# Altium PCB PCB5.PcbDoc (part 2 of 16)
Units mil, origin at the board's own origin, x right, y up, seen from the top; angles counter-clockwise.
Board outline 9210.27 x 4350.4 mil, 4 copper layers (Top Layer, Layer 1, Layer 2, Bottom Layer), stack 23.756 mil thick; 1550 components, 1731 nets, 5196 pads, 1890 vias.
Unrouted connection lines stored in the file: 2462.
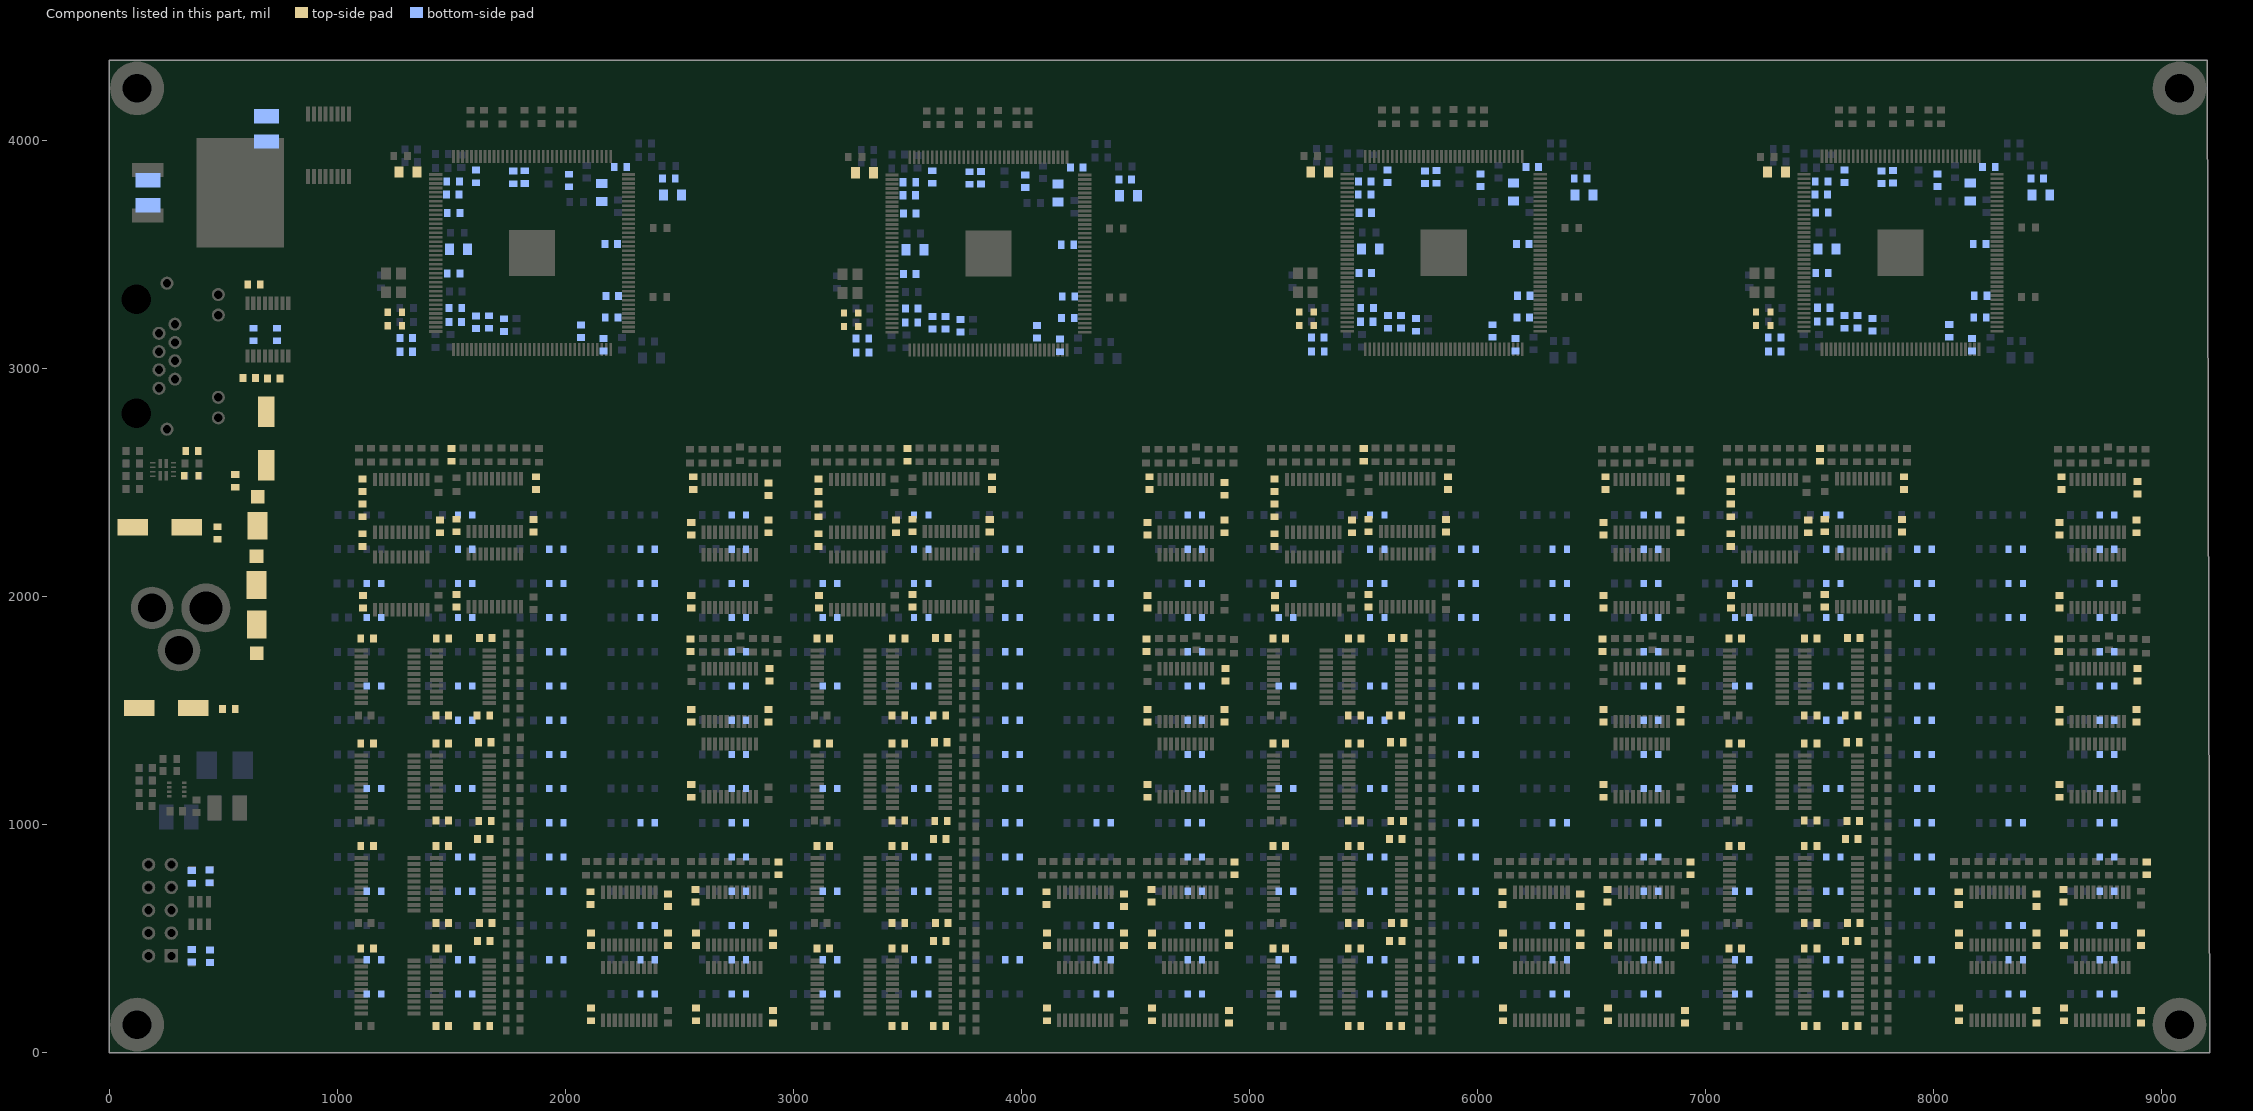
[diagram p4: the components of this part, seen from the top]

## Components (designator, comment, footprint, x,y, rotation, side; value= is the part's Value field where it differs from the comment) (continued)
C28_U_LED_BUFFER94 "0.1uF/16V" 0603C 8450.63,157.16 r90 top (schematic designator C28)
C28_U_LED_BUFFER101 "0.1uF/16V" 0603C 2910.63,157.16 r90 top (schematic designator C28)
C28_U_LED_BUFFER102 "0.1uF/16V" 0603C 4910.63,157.16 r90 top (schematic designator C28)
C28_U_LED_BUFFER103 "0.1uF/16V" 0603C 6910.63,157.16 r90 top (schematic designator C28)
C28_U_LED_BUFFER104 "0.1uF/16V" 0603C 8910.63,157.16 r90 top (schematic designator C28)
C29 "22uF/25V" 1210C 169.61,3770.31 r270 bottom
C30 "22uF/25V" 1210C 689.61,4050.31 r270 bottom
C31_U_LED_BUFFER11 "0.1uF/16V" 0603C 1110.63,2377.16 r90 top (schematic designator C31)
C31_U_LED_BUFFER12 "0.1uF/16V" 0603C 3110.63,2377.16 r90 top (schematic designator C31)
C31_U_LED_BUFFER13 "0.1uF/16V" 0603C 5110.63,2377.16 r90 top (schematic designator C31)
C31_U_LED_BUFFER14 "0.1uF/16V" 0603C 7110.63,2377.16 r90 top (schematic designator C31)
C31_U_LED_BUFFER21 "0.1uF/16V" 0603C 1870.63,2497.16 r270 top (schematic designator C31)
C31_U_LED_BUFFER22 "0.1uF/16V" 0603C 3870.63,2497.16 r270 top (schematic designator C31)
C31_U_LED_BUFFER23 "0.1uF/16V" 0603C 5870.63,2497.16 r270 top (schematic designator C31)
C31_U_LED_BUFFER24 "0.1uF/16V" 0603C 7870.63,2497.16 r270 top (schematic designator C31)
C31_U_LED_BUFFER31 "0.1uF/16V" 0603C 2890.63,2469.69 r270 top (schematic designator C31)
C31_U_LED_BUFFER32 "0.1uF/16V" 0603C 4890.63,2471.54 r270 top (schematic designator C31)
C31_U_LED_BUFFER33 "0.1uF/16V" 0603C 6891.2,2490.63 r270 top (schematic designator C31)
C31_U_LED_BUFFER34 "0.1uF/16V" 0603C 8893.67,2476.88 r270 top (schematic designator C31)
C31_U_LED_BUFFER41 "0.1uF/16V" 0603C 1640.63,1477.16 r180 top (schematic designator C31)
C31_U_LED_BUFFER42 "0.1uF/16V" 0603C 3640.63,1477.16 r180 top (schematic designator C31)
C31_U_LED_BUFFER43 "0.1uF/16V" 0603C 5640.63,1477.16 r180 top (schematic designator C31)
C31_U_LED_BUFFER44 "0.1uF/16V" 0603C 7640.63,1477.16 r180 top (schematic designator C31)
C31_U_LED_BUFFER51 "0.1uF/16V" 0603C 1647.56,1015.35 r180 top (schematic designator C31)
C31_U_LED_BUFFER52 "0.1uF/16V" 0603C 3647.56,1015.35 r180 top (schematic designator C31)
C31_U_LED_BUFFER53 "0.1uF/16V" 0603C 5647.56,1015.35 r180 top (schematic designator C31)
C31_U_LED_BUFFER54 "0.1uF/16V" 0603C 7647.56,1015.35 r180 top (schematic designator C31)
C31_U_LED_BUFFER61 "0.1uF/16V" 0603C 2895.08,1657.16 r270 top (schematic designator C31)
C31_U_LED_BUFFER62 "0.1uF/16V" 0603C 4895.08,1657.16 r270 top (schematic designator C31)
C31_U_LED_BUFFER63 "0.1uF/16V" 0603C 6895.08,1657.16 r270 top (schematic designator C31)
C31_U_LED_BUFFER64 "0.1uF/16V" 0603C 8895.08,1657.16 r270 top (schematic designator C31)
C31_U_LED_BUFFER71 "0.1uF/16V" 0603C 1650.63,567.16 r180 top (schematic designator C31)
C31_U_LED_BUFFER72 "0.1uF/16V" 0603C 3650.63,567.16 r180 top (schematic designator C31)
C31_U_LED_BUFFER73 "0.1uF/16V" 0603C 5650.63,567.16 r180 top (schematic designator C31)
C31_U_LED_BUFFER74 "0.1uF/16V" 0603C 7650.63,567.16 r180 top (schematic designator C31)
C31_U_LED_BUFFER81 "0.1uF/16V" 0603C 1640.63,117.16 r180 top (schematic designator C31)
C31_U_LED_BUFFER82 "0.1uF/16V" 0603C 3640.63,117.16 r180 top (schematic designator C31)
C31_U_LED_BUFFER83 "0.1uF/16V" 0603C 5640.63,117.16 r180 top (schematic designator C31)
C31_U_LED_BUFFER84 "0.1uF/16V" 0603C 7640.63,117.16 r180 top (schematic designator C31)
C31_U_LED_BUFFER91 "0.1uF/16V" 0603C 2450.63,667.16 r270 top (schematic designator C31)
C31_U_LED_BUFFER92 "0.1uF/16V" 0603C 4450.63,667.16 r270 top (schematic designator C31)
C31_U_LED_BUFFER93 "0.1uF/16V" 0603C 6450.63,667.16 r270 top (schematic designator C31)
C31_U_LED_BUFFER94 "0.1uF/16V" 0603C 8450.63,667.16 r270 top (schematic designator C31)
C31_U_LED_BUFFER101 "0.1uF/16V" 0603C 2935.08,807.16 r270 top (schematic designator C31)
C31_U_LED_BUFFER102 "0.1uF/16V" 0603C 4935.08,807.16 r270 top (schematic designator C31)
C31_U_LED_BUFFER103 "0.1uF/16V" 0603C 6935.08,807.16 r270 top (schematic designator C31)
C31_U_LED_BUFFER104 "0.1uF/16V" 0603C 8935.08,807.16 r270 top (schematic designator C31)
C32_U_LED_BUFFER11 "0.1uF/16V" 0603C 1110.63,2247.16 r270 top (schematic designator C32)
C32_U_LED_BUFFER12 "0.1uF/16V" 0603C 3110.63,2247.16 r270 top (schematic designator C32)
C32_U_LED_BUFFER13 "0.1uF/16V" 0603C 5110.63,2247.16 r270 top (schematic designator C32)
C32_U_LED_BUFFER14 "0.1uF/16V" 0603C 7110.63,2247.16 r270 top (schematic designator C32)
C32_U_LED_BUFFER21 "0.1uF/16V" 0603C 1522.87,2311.25 r270 top (schematic designator C32)
C32_U_LED_BUFFER22 "0.1uF/16V" 0603C 3522.87,2311.25 r270 top (schematic designator C32)
C32_U_LED_BUFFER23 "0.1uF/16V" 0603C 5522.87,2311.25 r270 top (schematic designator C32)
C32_U_LED_BUFFER24 "0.1uF/16V" 0603C 7522.87,2311.25 r270 top (schematic designator C32)
C32_U_LED_BUFFER31 "0.1uF/16V" 0603C 2552.27,2297.16 r270 top (schematic designator C32)
C32_U_LED_BUFFER32 "0.1uF/16V" 0603C 4552.27,2297.16 r270 top (schematic designator C32)
C32_U_LED_BUFFER33 "0.1uF/16V" 0603C 6552.27,2297.16 r270 top (schematic designator C32)
C32_U_LED_BUFFER34 "0.1uF/16V" 0603C 8552.27,2297.16 r270 top (schematic designator C32)
C32_U_LED_BUFFER41 "0.1uF/16V" 0603C 1461.38,1815.53 r180 top (schematic designator C32)
C32_U_LED_BUFFER42 "0.1uF/16V" 0603C 3461.38,1815.53 r180 top (schematic designator C32)
C32_U_LED_BUFFER43 "0.1uF/16V" 0603C 5461.38,1815.53 r180 top (schematic designator C32)
C32_U_LED_BUFFER44 "0.1uF/16V" 0603C 7461.38,1815.53 r180 top (schematic designator C32)
C32_U_LED_BUFFER51 "0.1uF/16V" 0603C 1460.63,1355.53 r180 top (schematic designator C32)
C32_U_LED_BUFFER52 "0.1uF/16V" 0603C 3460.63,1355.53 r180 top (schematic designator C32)
C32_U_LED_BUFFER53 "0.1uF/16V" 0603C 5460.63,1355.53 r180 top (schematic designator C32)
C32_U_LED_BUFFER54 "0.1uF/16V" 0603C 7460.63,1355.53 r180 top (schematic designator C32)
C32_U_LED_BUFFER61 "0.1uF/16V" 0603C 2552.27,1477.16 r270 top (schematic designator C32)
C32_U_LED_BUFFER62 "0.1uF/16V" 0603C 4552.27,1477.16 r270 top (schematic designator C32)
C32_U_LED_BUFFER63 "0.1uF/16V" 0603C 6552.27,1477.16 r270 top (schematic designator C32)
C32_U_LED_BUFFER64 "0.1uF/16V" 0603C 8552.27,1477.16 r270 top (schematic designator C32)
C32_U_LED_BUFFER71 "0.1uF/16V" 0603C 1460.63,905.53 r180 top (schematic designator C32)
C32_U_LED_BUFFER72 "0.1uF/16V" 0603C 3460.63,905.53 r180 top (schematic designator C32)
C32_U_LED_BUFFER73 "0.1uF/16V" 0603C 5460.63,905.53 r180 top (schematic designator C32)
C32_U_LED_BUFFER74 "0.1uF/16V" 0603C 7460.63,905.53 r180 top (schematic designator C32)
C32_U_LED_BUFFER81 "0.1uF/16V" 0603C 1460.63,455.53 r180 top (schematic designator C32)
C32_U_LED_BUFFER82 "0.1uF/16V" 0603C 3460.63,455.53 r180 top (schematic designator C32)
C32_U_LED_BUFFER83 "0.1uF/16V" 0603C 5460.63,455.53 r180 top (schematic designator C32)
C32_U_LED_BUFFER84 "0.1uF/16V" 0603C 7460.63,455.53 r180 top (schematic designator C32)
C32_U_LED_BUFFER91 "0.1uF/16V" 0603C 2112.27,497.16 r270 top (schematic designator C32)
C32_U_LED_BUFFER92 "0.1uF/16V" 0603C 4112.27,497.16 r270 top (schematic designator C32)
C32_U_LED_BUFFER93 "0.1uF/16V" 0603C 6112.27,497.16 r270 top (schematic designator C32)
C32_U_LED_BUFFER94 "0.1uF/16V" 0603C 8112.27,497.16 r270 top (schematic designator C32)
C32_U_LED_BUFFER101 "0.1uF/16V" 0603C 2572.27,497.16 r270 top (schematic designator C32)
C32_U_LED_BUFFER102 "0.1uF/16V" 0603C 4572.27,497.16 r270 top (schematic designator C32)
C32_U_LED_BUFFER103 "0.1uF/16V" 0603C 6572.27,497.16 r270 top (schematic designator C32)
C32_U_LED_BUFFER104 "0.1uF/16V" 0603C 8572.27,497.16 r270 top (schematic designator C32)
C33_U_LED_BUFFER11 "1uF/16V" 0603C 1110.63,2487.16 r90 top (schematic designator C33)
C33_U_LED_BUFFER12 "1uF/16V" 0603C 3110.63,2487.16 r90 top (schematic designator C33)
C33_U_LED_BUFFER13 "1uF/16V" 0603C 5110.63,2487.16 r90 top (schematic designator C33)
C33_U_LED_BUFFER14 "1uF/16V" 0603C 7110.63,2487.16 r90 top (schematic designator C33)
C33_U_LED_BUFFER21 "1uF/16V" 0603C 1501.23,2620.5 r270 top (schematic designator C33)
C33_U_LED_BUFFER22 "1uF/16V" 0603C 3501.23,2620.5 r270 top (schematic designator C33)
C33_U_LED_BUFFER23 "1uF/16V" 0603C 5501.23,2620.5 r270 top (schematic designator C33)
C33_U_LED_BUFFER24 "1uF/16V" 0603C 7501.23,2620.5 r270 top (schematic designator C33)
C33_U_LED_BUFFER31 "1uF/16V" 0603C 2560.89,2497.16 r270 top (schematic designator C33)
C33_U_LED_BUFFER32 "1uF/16V" 0603C 4560.89,2497.16 r270 top (schematic designator C33)
C33_U_LED_BUFFER33 "1uF/16V" 0603C 6560.89,2497.16 r270 top (schematic designator C33)
C33_U_LED_BUFFER34 "1uF/16V" 0603C 8560.89,2497.16 r270 top (schematic designator C33)
C33_U_LED_BUFFER41 "1uF/16V" 0603C 1650.63,1817.16 r180 top (schematic designator C33)
C33_U_LED_BUFFER42 "1uF/16V" 0603C 3650.63,1817.16 r180 top (schematic designator C33)
C33_U_LED_BUFFER43 "1uF/16V" 0603C 5650.63,1817.16 r180 top (schematic designator C33)
C33_U_LED_BUFFER44 "1uF/16V" 0603C 7650.63,1817.16 r180 top (schematic designator C33)
C33_U_LED_BUFFER51 "1uF/16V" 0603C 1646.84,1360.48 r180 top (schematic designator C33)
C33_U_LED_BUFFER52 "1uF/16V" 0603C 3646.84,1360.48 r180 top (schematic designator C33)
C33_U_LED_BUFFER53 "1uF/16V" 0603C 5646.84,1360.48 r180 top (schematic designator C33)
C33_U_LED_BUFFER54 "1uF/16V" 0603C 7646.84,1360.48 r180 top (schematic designator C33)
C33_U_LED_BUFFER61 "1uF/16V" 0603C 2549.06,1786.05 r270 top (schematic designator C33)
C33_U_LED_BUFFER62 "1uF/16V" 0603C 4549.06,1786.05 r270 top (schematic designator C33)
C33_U_LED_BUFFER63 "1uF/16V" 0603C 6549.06,1786.05 r270 top (schematic designator C33)
C33_U_LED_BUFFER64 "1uF/16V" 0603C 8549.06,1786.05 r270 top (schematic designator C33)
C33_U_LED_BUFFER71 "1uF/16V" 0603C 1641.73,937.01 r180 top (schematic designator C33)
C33_U_LED_BUFFER72 "1uF/16V" 0603C 3641.73,937.01 r180 top (schematic designator C33)
C33_U_LED_BUFFER73 "1uF/16V" 0603C 5641.73,937.01 r180 top (schematic designator C33)
C33_U_LED_BUFFER74 "1uF/16V" 0603C 7641.73,937.01 r180 top (schematic designator C33)
C33_U_LED_BUFFER81 "1uF/16V" 0603C 1641.73,488.19 r180 top (schematic designator C33)
C33_U_LED_BUFFER82 "1uF/16V" 0603C 3641.73,488.19 r180 top (schematic designator C33)
C33_U_LED_BUFFER83 "1uF/16V" 0603C 5641.73,488.19 r180 top (schematic designator C33)
C33_U_LED_BUFFER84 "1uF/16V" 0603C 7641.73,488.19 r180 top (schematic designator C33)
C33_U_LED_BUFFER91 "1uF/16V" 0603C 2110.63,677.16 r90 top (schematic designator C33)
C33_U_LED_BUFFER92 "1uF/16V" 0603C 4110.63,677.16 r90 top (schematic designator C33)
C33_U_LED_BUFFER93 "1uF/16V" 0603C 6110.63,677.16 r90 top (schematic designator C33)
C33_U_LED_BUFFER94 "1uF/16V" 0603C 8110.63,677.16 r90 top (schematic designator C33)
C33_U_LED_BUFFER101 "1uF/16V" 0603C 2570.63,687.16 r270 top (schematic designator C33)
C33_U_LED_BUFFER102 "1uF/16V" 0603C 4570.63,687.16 r270 top (schematic designator C33)
C33_U_LED_BUFFER103 "1uF/16V" 0603C 6570.63,687.16 r270 top (schematic designator C33)
C33_U_LED_BUFFER104 "1uF/16V" 0603C 8570.63,687.16 r270 top (schematic designator C33)
C34_U_LED_BUFFER11 "1uF/16V" 0603C 1450.63,2307.16 r270 top (schematic designator C34)
C34_U_LED_BUFFER12 "1uF/16V" 0603C 3450.63,2307.16 r270 top (schematic designator C34)
C34_U_LED_BUFFER13 "1uF/16V" 0603C 5450.63,2307.16 r270 top (schematic designator C34)
C34_U_LED_BUFFER14 "1uF/16V" 0603C 7450.63,2307.16 r270 top (schematic designator C34)
C34_U_LED_BUFFER21 "1uF/16V" 0603C 1861.23,2310.5 r270 top (schematic designator C34)
C34_U_LED_BUFFER22 "1uF/16V" 0603C 3861.23,2310.5 r270 top (schematic designator C34)
C34_U_LED_BUFFER23 "1uF/16V" 0603C 5861.23,2310.5 r270 top (schematic designator C34)
C34_U_LED_BUFFER24 "1uF/16V" 0603C 7861.23,2310.5 r270 top (schematic designator C34)
C34_U_LED_BUFFER31 "1uF/16V" 0603C 2890.63,2307.16 r270 top (schematic designator C34)
C34_U_LED_BUFFER32 "1uF/16V" 0603C 4890.63,2307.16 r270 top (schematic designator C34)
C34_U_LED_BUFFER33 "1uF/16V" 0603C 6890.63,2307.16 r270 top (schematic designator C34)
C34_U_LED_BUFFER34 "1uF/16V" 0603C 8890.63,2307.16 r270 top (schematic designator C34)
C34_U_LED_BUFFER41 "1uF/16V" 0603C 1460.63,1477.16 r180 top (schematic designator C34)
C34_U_LED_BUFFER42 "1uF/16V" 0603C 3460.63,1477.16 r180 top (schematic designator C34)
C34_U_LED_BUFFER43 "1uF/16V" 0603C 5460.63,1477.16 r180 top (schematic designator C34)
C34_U_LED_BUFFER44 "1uF/16V" 0603C 7460.63,1477.16 r180 top (schematic designator C34)
C34_U_LED_BUFFER51 "1uF/16V" 0603C 1460.63,1017.16 r180 top (schematic designator C34)
C34_U_LED_BUFFER52 "1uF/16V" 0603C 3460.63,1017.16 r180 top (schematic designator C34)
C34_U_LED_BUFFER53 "1uF/16V" 0603C 5460.63,1017.16 r180 top (schematic designator C34)
C34_U_LED_BUFFER54 "1uF/16V" 0603C 7460.63,1017.16 r180 top (schematic designator C34)
C34_U_LED_BUFFER61 "1uF/16V" 0603C 2890.63,1477.16 r270 top (schematic designator C34)
C34_U_LED_BUFFER62 "1uF/16V" 0603C 4890.63,1477.16 r270 top (schematic designator C34)
C34_U_LED_BUFFER63 "1uF/16V" 0603C 6890.63,1477.16 r270 top (schematic designator C34)
C34_U_LED_BUFFER64 "1uF/16V" 0603C 8890.63,1477.16 r270 top (schematic designator C34)
C34_U_LED_BUFFER71 "1uF/16V" 0603C 1460.63,567.16 r180 top (schematic designator C34)
C34_U_LED_BUFFER72 "1uF/16V" 0603C 3460.63,567.16 r180 top (schematic designator C34)
C34_U_LED_BUFFER73 "1uF/16V" 0603C 5460.63,567.16 r180 top (schematic designator C34)
C34_U_LED_BUFFER74 "1uF/16V" 0603C 7460.63,567.16 r180 top (schematic designator C34)
C34_U_LED_BUFFER81 "1uF/16V" 0603C 1460.63,117.16 r180 top (schematic designator C34)
C34_U_LED_BUFFER82 "1uF/16V" 0603C 3460.63,117.16 r180 top (schematic designator C34)
C34_U_LED_BUFFER83 "1uF/16V" 0603C 5460.63,117.16 r180 top (schematic designator C34)
C34_U_LED_BUFFER84 "1uF/16V" 0603C 7460.63,117.16 r180 top (schematic designator C34)
C34_U_LED_BUFFER91 "1uF/16V" 0603C 2450.63,497.16 r270 top (schematic designator C34)
C34_U_LED_BUFFER92 "1uF/16V" 0603C 4450.63,497.16 r270 top (schematic designator C34)
C34_U_LED_BUFFER93 "1uF/16V" 0603C 6450.63,497.16 r270 top (schematic designator C34)
C34_U_LED_BUFFER94 "1uF/16V" 0603C 8450.63,497.16 r270 top (schematic designator C34)
C34_U_LED_BUFFER101 "1uF/16V" 0603C 2910.63,497.16 r270 top (schematic designator C34)
C34_U_LED_BUFFER102 "1uF/16V" 0603C 4910.63,497.16 r270 top (schematic designator C34)
C34_U_LED_BUFFER103 "1uF/16V" 0603C 6910.63,497.16 r270 top (schematic designator C34)
C34_U_LED_BUFFER104 "1uF/16V" 0603C 8910.63,497.16 r270 top (schematic designator C34)
C35_U_LED_BUFFER11 "1uF/16V" 0603C 1112.27,1977.16 r90 top (schematic designator C35)
C35_U_LED_BUFFER12 "1uF/16V" 0603C 3112.27,1977.16 r90 top (schematic designator C35)
C35_U_LED_BUFFER13 "1uF/16V" 0603C 5112.27,1977.16 r90 top (schematic designator C35)
C35_U_LED_BUFFER14 "1uF/16V" 0603C 7112.27,1977.16 r90 top (schematic designator C35)
C35_U_LED_BUFFER21 "1uF/16V" 0603C 1522.87,1980.5 r90 top (schematic designator C35)
C35_U_LED_BUFFER22 "1uF/16V" 0603C 3522.87,1980.5 r90 top (schematic designator C35)
C35_U_LED_BUFFER23 "1uF/16V" 0603C 5522.87,1980.5 r90 top (schematic designator C35)
C35_U_LED_BUFFER24 "1uF/16V" 0603C 7522.87,1980.5 r90 top (schematic designator C35)
C35_U_LED_BUFFER31 "1uF/16V" 0603C 2552.27,1977.16 r90 top (schematic designator C35)
C35_U_LED_BUFFER32 "1uF/16V" 0603C 4552.27,1977.16 r90 top (schematic designator C35)
C35_U_LED_BUFFER33 "1uF/16V" 0603C 6552.27,1977.16 r90 top (schematic designator C35)
C35_U_LED_BUFFER34 "1uF/16V" 0603C 8552.27,1977.16 r90 top (schematic designator C35)
C35_U_LED_BUFFER41 "1uF/16V" 0603C 1130.63,1815.53 r0 top (schematic designator C35)
C35_U_LED_BUFFER42 "1uF/16V" 0603C 3130.63,1815.53 r0 top (schematic designator C35)
C35_U_LED_BUFFER43 "1uF/16V" 0603C 5130.63,1815.53 r0 top (schematic designator C35)
C35_U_LED_BUFFER44 "1uF/16V" 0603C 7130.63,1815.53 r0 top (schematic designator C35)
C35_U_LED_BUFFER51 "1uF/16V" 0603C 1130.63,1355.53 r0 top (schematic designator C35)
C35_U_LED_BUFFER52 "1uF/16V" 0603C 3130.63,1355.53 r0 top (schematic designator C35)
C35_U_LED_BUFFER53 "1uF/16V" 0603C 5130.63,1355.53 r0 top (schematic designator C35)
C35_U_LED_BUFFER54 "1uF/16V" 0603C 7130.63,1355.53 r0 top (schematic designator C35)
C35_U_LED_BUFFER61 "1uF/16V" 0603C 2552.27,1147.16 r90 top (schematic designator C35)
C35_U_LED_BUFFER62 "1uF/16V" 0603C 4552.27,1147.16 r90 top (schematic designator C35)
C35_U_LED_BUFFER63 "1uF/16V" 0603C 6552.27,1147.16 r90 top (schematic designator C35)
C35_U_LED_BUFFER64 "1uF/16V" 0603C 8552.27,1147.16 r90 top (schematic designator C35)
C35_U_LED_BUFFER71 "1uF/16V" 0603C 1130.63,905.53 r0 top (schematic designator C35)
C35_U_LED_BUFFER72 "1uF/16V" 0603C 3130.63,905.53 r0 top (schematic designator C35)
C35_U_LED_BUFFER73 "1uF/16V" 0603C 5130.63,905.53 r0 top (schematic designator C35)
C35_U_LED_BUFFER74 "1uF/16V" 0603C 7130.63,905.53 r0 top (schematic designator C35)
C35_U_LED_BUFFER81 "1uF/16V" 0603C 1130.63,455.53 r0 top (schematic designator C35)
C35_U_LED_BUFFER82 "1uF/16V" 0603C 3130.63,455.53 r0 top (schematic designator C35)
C35_U_LED_BUFFER83 "1uF/16V" 0603C 5130.63,455.53 r0 top (schematic designator C35)
C35_U_LED_BUFFER84 "1uF/16V" 0603C 7130.63,455.53 r0 top (schematic designator C35)
C35_U_LED_BUFFER91 "1uF/16V" 0603C 2112.27,167.16 r90 top (schematic designator C35)
C35_U_LED_BUFFER92 "1uF/16V" 0603C 4112.27,167.16 r90 top (schematic designator C35)
C35_U_LED_BUFFER93 "1uF/16V" 0603C 6112.27,167.16 r90 top (schematic designator C35)
C35_U_LED_BUFFER94 "1uF/16V" 0603C 8112.27,167.16 r90 top (schematic designator C35)
C35_U_LED_BUFFER101 "1uF/16V" 0603C 2572.27,167.16 r90 top (schematic designator C35)
C35_U_LED_BUFFER102 "1uF/16V" 0603C 4572.27,167.16 r90 top (schematic designator C35)
C35_U_LED_BUFFER103 "1uF/16V" 0603C 6572.27,167.16 r90 top (schematic designator C35)
C35_U_LED_BUFFER104 "1uF/16V" 0603C 8572.27,167.16 r90 top (schematic designator C35)
C36 "10pF/50V" 0603C 440.37,772.17 r270 bottom
C37 "10pF/50V" 0603C 441.37,422.27 r90 bottom
C38 "10pF/50V" 0603C 361.77,770.03 r270 bottom
C39 "10pF/50V" 0603C 361.67,424.71 r90 bottom
C40 "0.1uF/50V" 0603C 613.64,2958.27 r180 top
C41 "0.1uF/50V" 0603C 632.44,3148.67 r270 bottom
C42 "0.1uF/50V" 0603C 634.74,3367.07 r180 top
C43 "0.1uF/50V" 0603C 720.7,2956.47 r180 top
C44 "0.1uF/50V" 0603C 734.84,3148.67 r270 bottom
C45_POWER1 "0.1uF/16V" 0603C 2202.83,3222.87 r180 bottom (schematic designator C45)
C45_POWER2 "0.1uF/16V" 0603C 4203.93,3220.27 r180 bottom (schematic designator C45)
C45_POWER3 "0.1uF/16V" 0603C 6200.83,3223.72 r180 bottom (schematic designator C45)
C45_POWER4 "0.1uF/16V" 0603C 8203.83,3223.87 r180 bottom (schematic designator C45)
C46_POWER1 "10uF/25V" 0805C 1310.2,3860.87 r0 top (schematic designator C46)
C46_POWER2 "10uF/25V" 0805C 3311.3,3858.27 r0 top (schematic designator C46)
C46_POWER3 "10uF/25V" 0805C 5308.2,3861.72 r0 top (schematic designator C46)
C46_POWER4 "10uF/25V" 0805C 7311.2,3861.87 r0 top (schematic designator C46)
C47_POWER1 "0.47uF/16V" 0603C 2241.83,3882.87 r0 bottom (schematic designator C47)
C47_POWER2 "0.47uF/16V" 0603C 4242.93,3880.27 r0 bottom (schematic designator C47)
C47_POWER3 "0.47uF/16V" 0603C 6239.83,3883.72 r0 bottom (schematic designator C47)
C47_POWER4 "0.47uF/16V" 0603C 8242.83,3883.87 r0 bottom (schematic designator C47)
C48_POWER1 "0.1uF/16V" 0603C 1301.83,3133.87 r180 bottom (schematic designator C48)
C48_POWER2 "0.1uF/16V" 0603C 3302.93,3131.27 r180 bottom (schematic designator C48)
C48_POWER3 "0.1uF/16V" 0603C 5299.83,3134.72 r180 bottom (schematic designator C48)
C48_POWER4 "0.1uF/16V" 0603C 7302.83,3134.87 r180 bottom (schematic designator C48)
C49_POWER1 "0.1uF/16V" 0603C 1506.83,3761.87 r0 bottom (schematic designator C49)
C49_POWER2 "0.1uF/16V" 0603C 3507.93,3759.27 r0 bottom (schematic designator C49)
C49_POWER3 "0.1uF/16V" 0603C 5504.83,3762.72 r0 bottom (schematic designator C49)
C49_POWER4 "0.1uF/16V" 0603C 7507.83,3762.87 r0 bottom (schematic designator C49)
C51_POWER1 "0.1uF/16V" 0603C 1507.83,3818.87 r0 bottom (schematic designator C51)
C51_POWER2 "0.1uF/16V" 0603C 3508.93,3816.27 r0 bottom (schematic designator C51)
C51_POWER3 "0.1uF/16V" 0603C 5505.83,3819.72 r0 bottom (schematic designator C51)
C51_POWER4 "0.1uF/16V" 0603C 7508.83,3819.87 r0 bottom (schematic designator C51)
C52_POWER1 "0.1uF/16V" 0603C 1517.83,3264.87 r0 bottom (schematic designator C52)
C52_POWER2 "0.1uF/16V" 0603C 3518.93,3262.27 r0 bottom (schematic designator C52)
C52_POWER3 "0.1uF/16V" 0603C 5515.83,3265.72 r0 bottom (schematic designator C52)
C52_POWER4 "0.1uF/16V" 0603C 7518.83,3265.87 r0 bottom (schematic designator C52)
C53_POWER1 "0.01uF/16V" 0603C 1516.83,3203.87 r0 bottom (schematic designator C53)
C53_POWER2 "0.01uF/16V" 0603C 3517.93,3201.27 r0 bottom (schematic designator C53)
C53_POWER3 "0.01uF/16V" 0603C 5514.83,3204.72 r0 bottom (schematic designator C53)
C53_POWER4 "0.01uF/16V" 0603C 7517.83,3204.87 r0 bottom (schematic designator C53)
C54_POWER1 "0.47uF/16V" 0603C 2167.83,3103.31 r270 bottom (schematic designator C54)
C54_POWER2 "0.47uF/16V" 0603C 4168.93,3100.71 r270 bottom (schematic designator C54)
C54_POWER3 "0.47uF/16V" 0603C 6165.83,3104.16 r270 bottom (schematic designator C54)
C54_POWER4 "0.47uF/16V" 0603C 8168.83,3104.31 r270 bottom (schematic designator C54)
C55_POWER1 "10uF/25V" 0805C 2159.83,3771.87 r90 bottom (schematic designator C55)